# KiCad board ADCS_board.kicad_pcb
title: ADCS; date: 2025-08-21; rev: v1.8; company: SSI
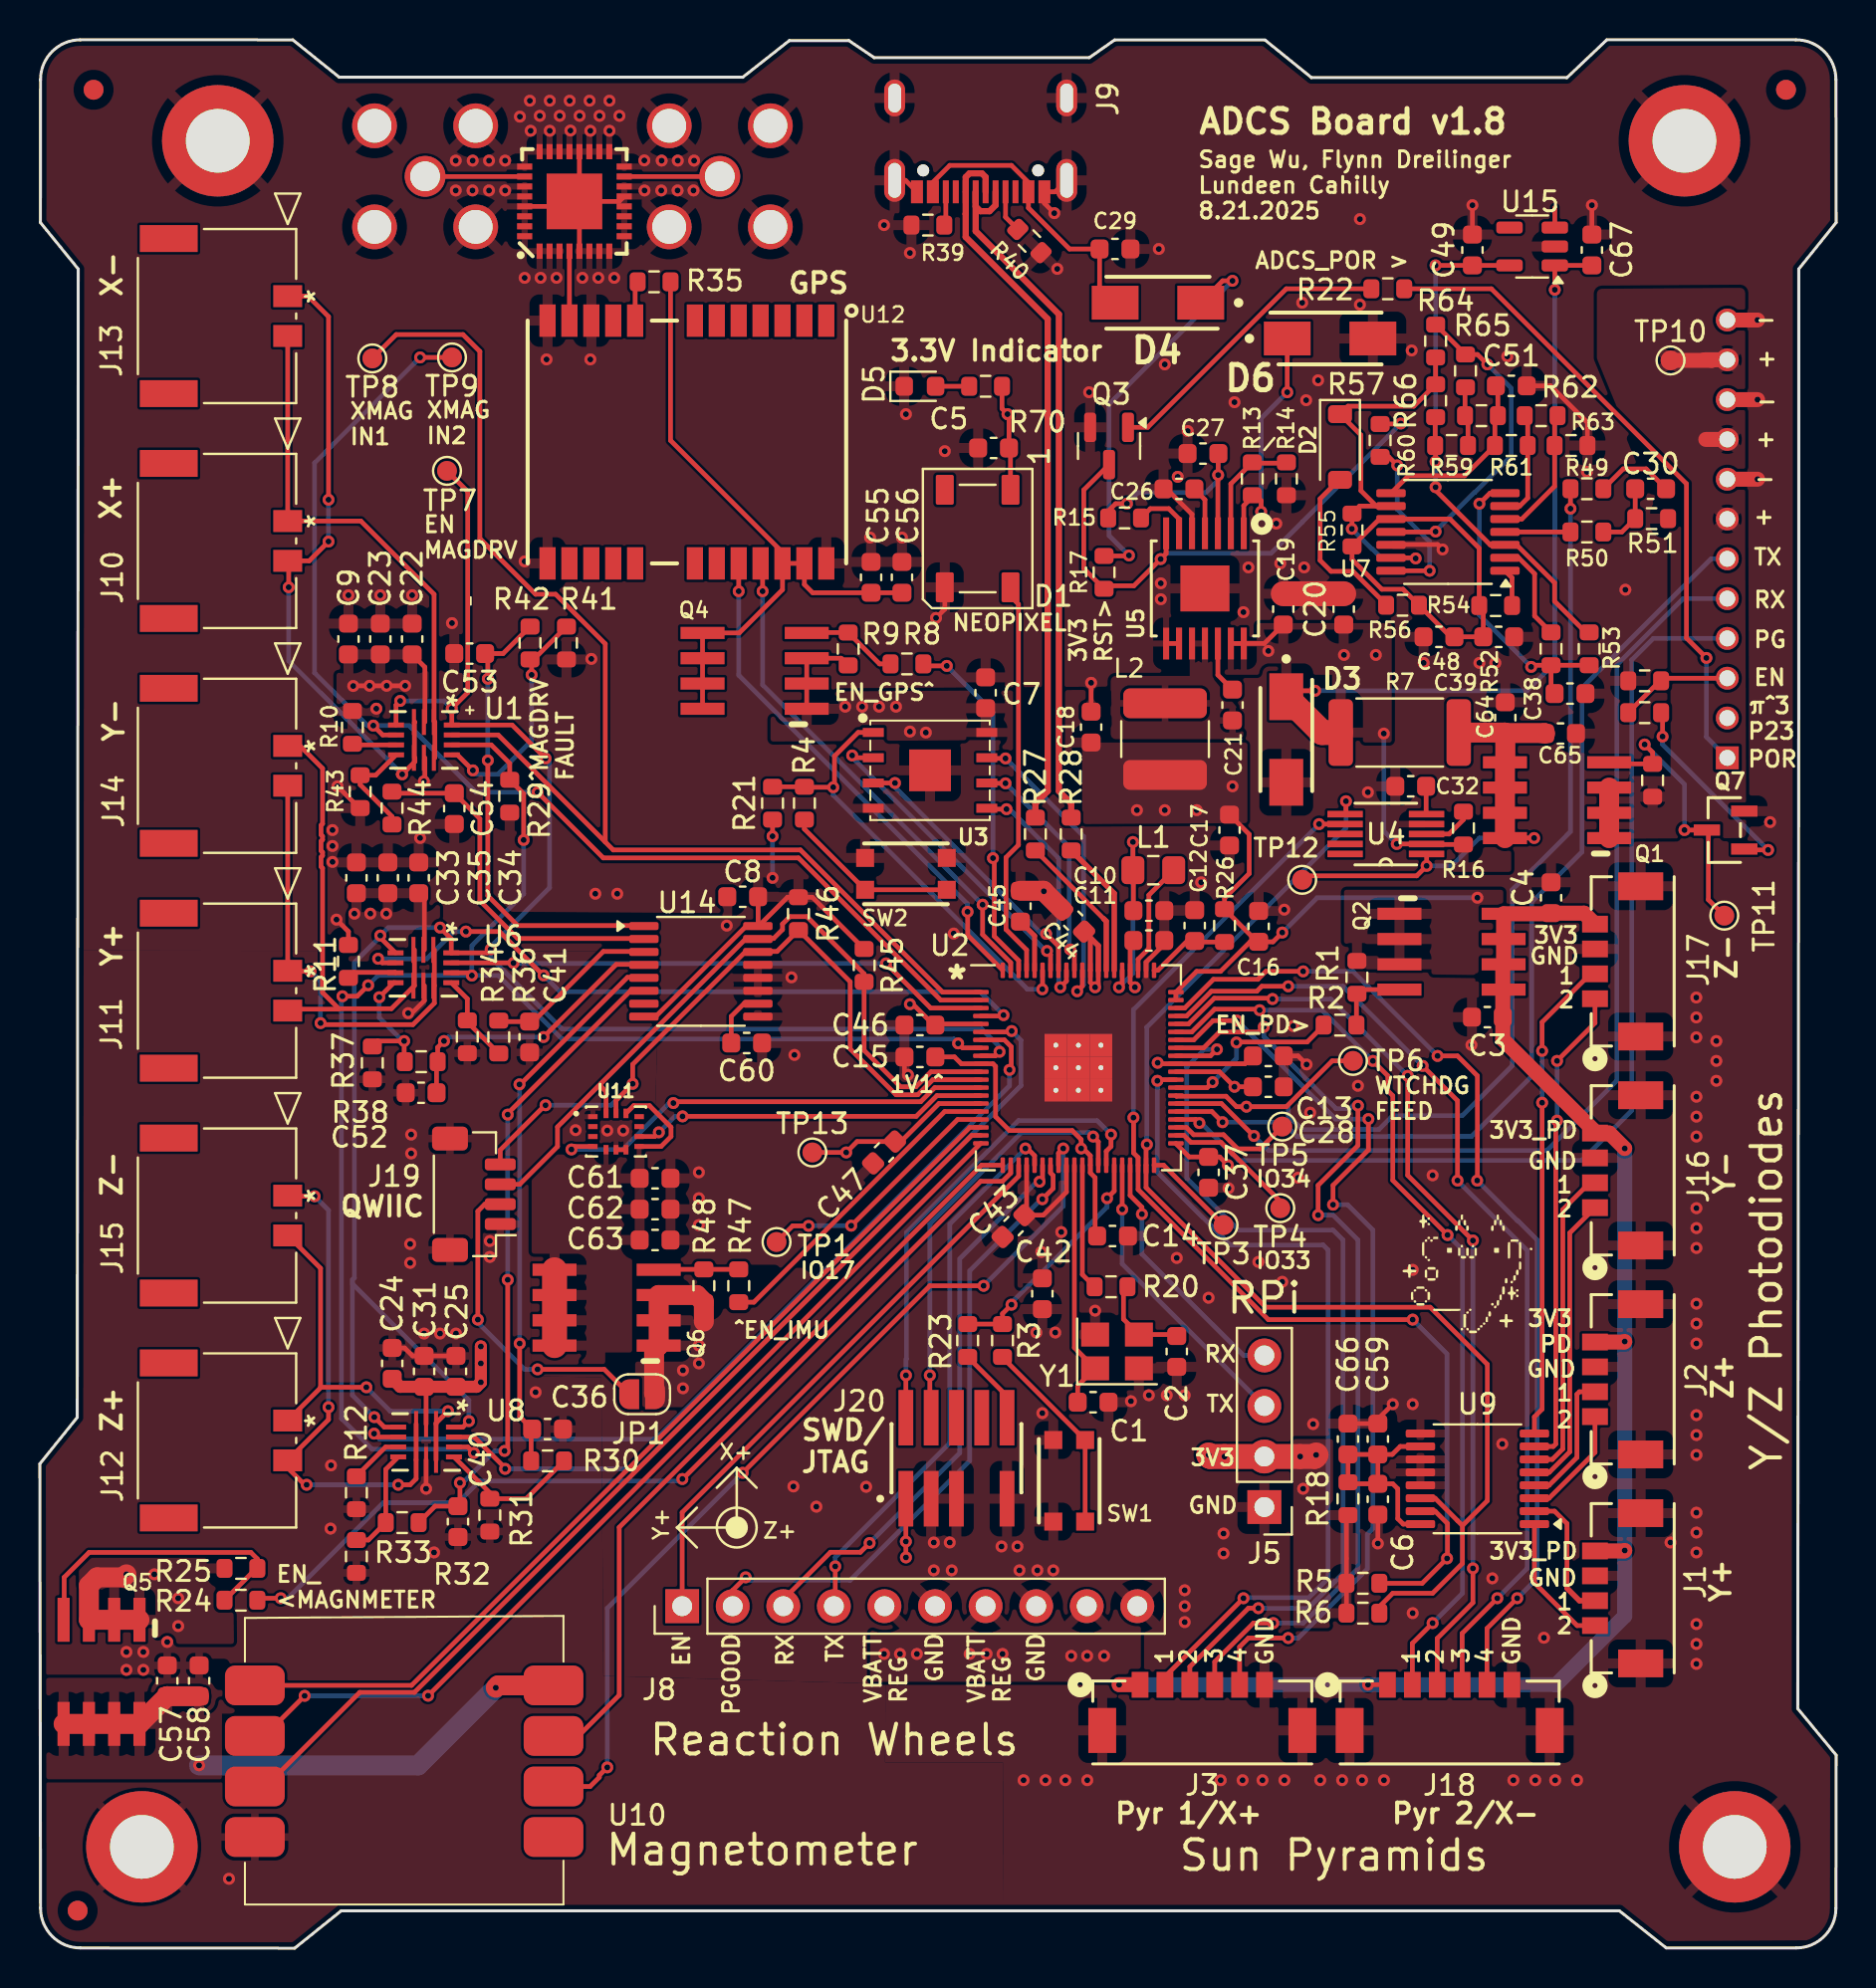
[diagram p0: board, top side]
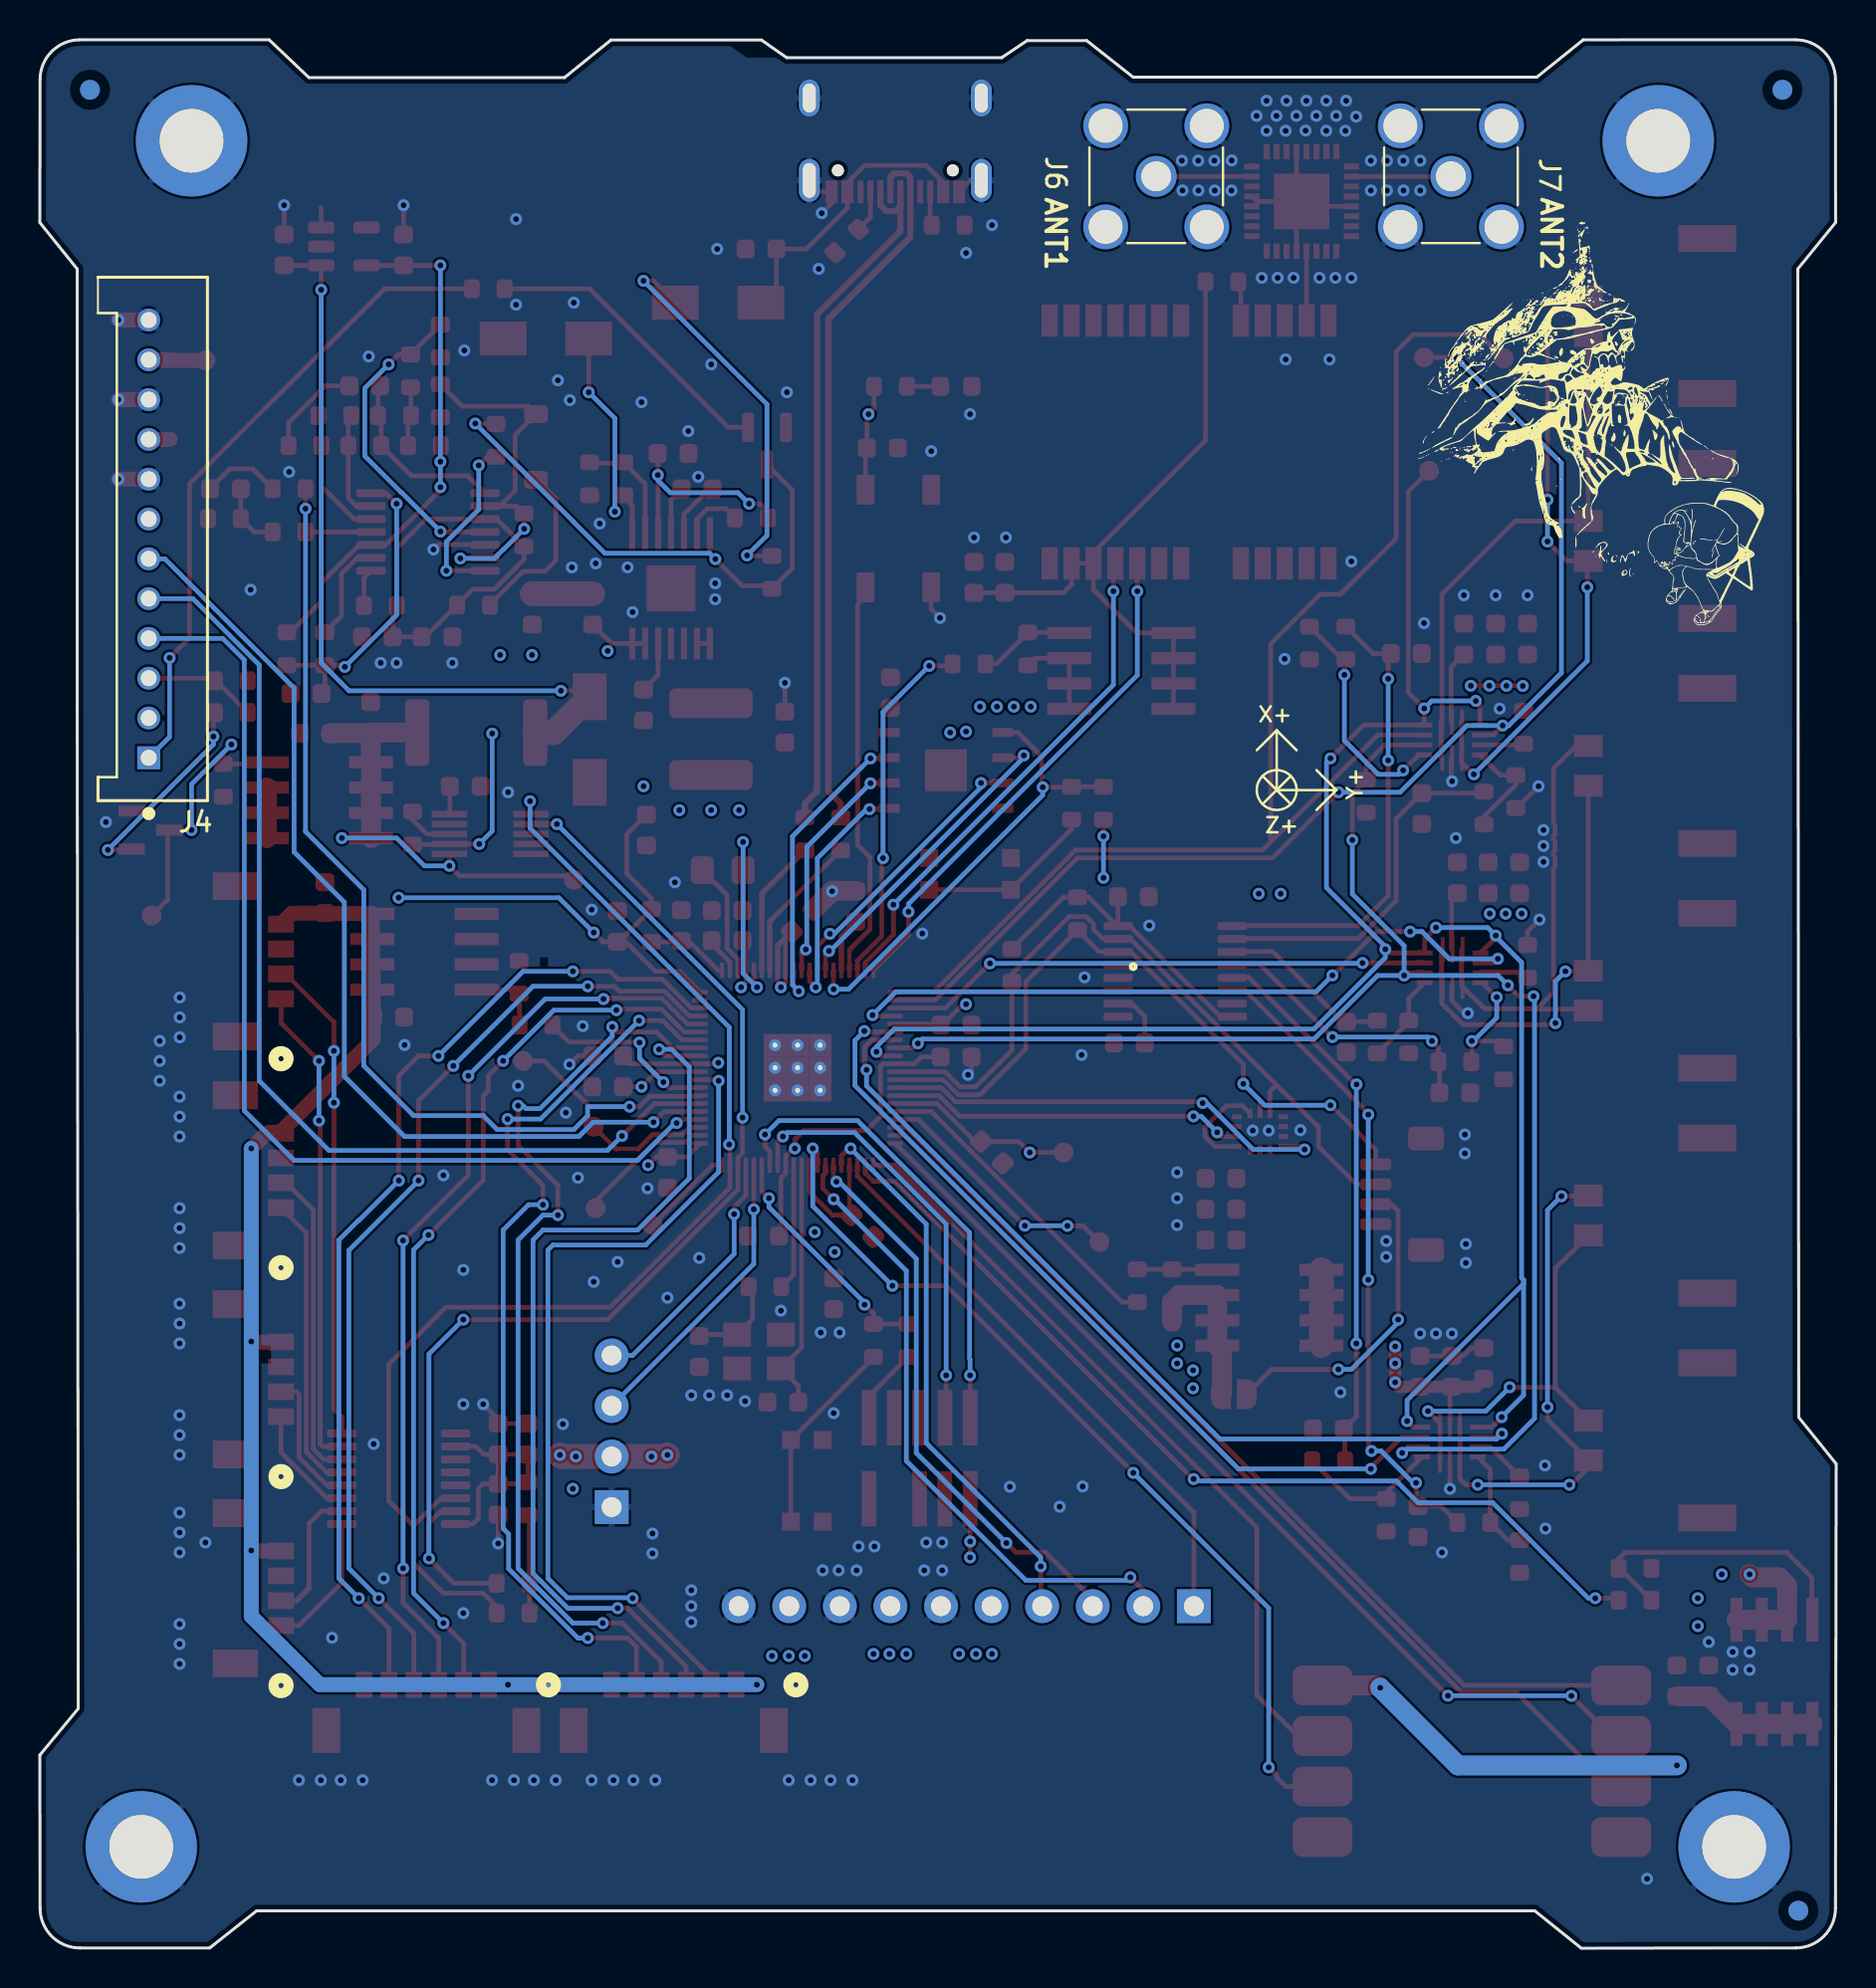
[diagram p1: board, bottom side, seen from below]

Outline 90.22 x 95.9 mm; copper layers: Top, Route2, Route15, Bottom. Coordinates in mm from the lower left corner of the outline.
Outline path: 0,24.34 0.04,2.01 arc(0.62,0.6) 2.04,0.01 12.8,0 15.14,1.88 79.33,1.88 81.68,0.01 88.21,0.01 arc(89.62,0.6) 90.21,2.01 90.22,9.7 88.29,12.04 88.34,62.33 88.34,84.38 90.22,86.72 90.21,93.9 arc(89.62,95.31) 88.21,95.9 78.7,95.9 76.7,94 63.87,94 61.53,95.89 53.98,95.89 52.71,95 41.91,95 40.63,95.86 37.64,95.86 35.3,94.02 15.04,94.02 12.7,95.9 2.04,95.9 arc(0.62,95.31) 0.04,93.9 0.03,86.72 1.93,84.38 1.88,26.68 0,24.34
Stack: Top 0.035mm / dielectric 0.2104mm FR4 er 4.4 / Route2 0.0152mm / dielectric 1.06mm FR4 er 4.6 / Route15 0.0152mm / dielectric 0.2104mm FR4 er 4.4 / Bottom 0.035mm

## Placement (name value [footprint] x y rotation side)
C1  15pF  [C_0603_1608Metric]  52.9 27.44 0 top
C2  15pF  [C_0603_1608Metric]  57.1 29.99 270 top
C3  10nF  [C_0603_1608Metric]  72.7 46.79 180 top
C4  4.7uF  [C_0603_1608Metric]  75.9 52.79 90 top
C5  100nF  [C_0603_1608Metric]  47.9 75.39 180 top
C6  1uF  [C_0603_1608Metric]  67.2 22.56 270 top
C7  100nF  [C_0603_1608Metric]  47.5 63.09 90 top
C8  10uF  [C_0603_1608Metric]  35.3 52.84 180 top
C9  22uF  [C_0603_1608Metric]  15.5 65.79 90 top
C10  4.7uF  [C_0603_1608Metric]  55.7 52.14 0 top
C11  4.7uF  [C_0603_1608Metric]  55.7 50.64 0 top
C12  4.7uF  [C_0603_1608Metric]  58 51.39 90 top
C13  100nF  [C_0603_1608Metric]  61.7 44.84 0 top
C14  100nF  [C_0603_1608Metric]  53.87 35.79 0 top
C15  4.7uF  [C_0603_1608Metric]  44.2 44.79 180 top
C16  100nF  [C_0603_1608Metric]  61.21 51.35 90 top
C17  22uF  [C_0603_1608Metric]  59.75 56.19 90 top
C18  22uF  [C_0603_1608Metric]  52.8 61.36 270 top
C19  10uF  [C_0603_1608Metric]  62.45 67.29 90 top
C20  10uF  [C_0603_1608Metric]  65.49 67.29 90 top
C21  100nF  [C_0603_1608Metric]  59.9 62.47 90 top
C22  10uF  [C_0603_1608Metric]  18.7 65.79 90 top
C23  100nF  [C_0603_1608Metric]  17.1 65.79 90 top
C24  22uF  [C_0603_1608Metric]  17.7 29.39 90 top
C25  10uF  [C_0603_1608Metric]  20.9 28.99 90 top
C26  3.3nF  [C_0603_1608Metric]  57.21 73.33 180 top
C27  1uF  [C_0603_1608Metric]  58.42 75.11 180 top
C28  100nF  [C_0603_1608Metric]  61.7 43.29 0 top
C29  4.7uF  [C_0603_1608Metric]  54 85.39 0 top
C30  10uF  [C_0603_1608Metric]  80.9 73.34 180 top
C31  100nF  [C_0603_1608Metric]  19.3 28.99 90 top
C32  3.3nF  [C_0603_1608Metric]  68.85 58.39 0 top
C33  22uF  [C_0603_1608Metric]  15.9 53.79 90 top
C34  10uF  [C_0603_1608Metric]  19.03 53.79 90 top
C35  100nF  [C_0603_1608Metric]  17.48 53.79 90 top
C36  3.3uF  [C_0603_1608Metric]  25.5 26.09 0 top
C37  100nF  [C_0603_1608Metric]  58.7 38.99 270 top
C38  10uF  [C_0603_1608Metric]  76.85 63.04 180 top
C39  10uF  [C_0603_1608Metric]  73.27 65.9 180 top
C40  3.3uF  [C_0603_1608Metric]  21 21.44 270 top
C41  3.3uF  [C_0603_1608Metric]  24.6 45.79 270 top
C42  100nF  [C_0603_1608Metric]  50.35 32.89 270 top
C43  100nF  [C_0603_1608Metric]  48.9 36.29 225 top
C44  100nF  [C_0603_1608Metric]  51.9 51.64 135 top
C45  100nF  [C_0603_1608Metric]  49.25 52.36 90 top
C46  100nF  [C_0603_1608Metric]  44.2 46.39 180 top
C47  100nF  [C_0603_1608Metric]  42.4 39.99 225 top
C48  10uF  [C_0603_1608Metric]  70.27 65.9 0 top
C49  2.2uF  [C_0603_1608Metric]  71.95 85.34 90 top
C51  10uF  [C_0603_1608Metric]  73.9 78.51 180 top
C52  3.3uF  [C_0603_1608Metric]  19.15 42.99 180 top
C53  3.3uF  [C_0603_1608Metric]  21.59 65.06 180 top
C54  3.3uF  [C_0603_1608Metric]  20.81 57.27 270 top
C55  10nF  [C_0603_1608Metric]  41.75 68.89 90 top
C56  4.7uF  [C_0603_1608Metric]  43.3 68.89 90 top
C57  10nF  [C_0603_1608Metric]  6.4 13.44 90 top
C58  4.7uF  [C_0603_1608Metric]  8 13.44 90 top
C59  100nF  [C_0603_1608Metric]  67.2 25.59 90 top
C60  100nF  [C_0603_1608Metric]  35.5 45.49 0 top
C61  10nF  [C_0603_1608Metric]  30.9 38.69 0 top
C62  4.7uF  [C_0603_1608Metric]  30.9 37.14 0 top
C63  100nF  [C_0603_1608Metric]  30.9 35.59 0 top
C64  10nF  [C_0603_1608Metric]  73.6 61.84 90 top
C65  4.7uF  [C_0603_1608Metric]  76.37 61.04 0 top
C66  10uF  [C_0603_1608Metric]  65.7 25.59 90 top
C67  1uF  [C_0603_1608Metric]  77.95 85.34 90 top
D1  1655  [LED_WS2812B_PLCC4_5.0x5.0mm_P3.2mm]  47.1 70.84 270 top
D2  1N4151W-E3-08  [D_SOD-123]  65.3 75.44 270 top
D3  CMSH1-40M  [DIOM5226X262N]  62.6 60.74 270 top
D4  CMSH1-40M  [DIOM5226X262N]  56.15 82.69 180 top
D5  GREEN LED  [LED_0603_1608Metric]  44.2 78.49 0 top
D6  CMSH1-40M  [DIOM5226X262N]  64.8 80.89 0 top
G***  -  [LOGO]  6.4 69.79 180 bottom
H1  MountingHole_Pad  [MountingHole_3.2mm_M3_DIN965_Pad]  8.94 90.82 0 top
H2  MountingHole_Pad  [MountingHole_3.2mm_M3_DIN965_Pad]  5.13 5.09 0 top
H3  MountingHole_Pad  [MountingHole_3.2mm_M3_DIN965_Pad]  85.13 5.09 0 top
H4  MountingHole_Pad  [MountingHole_3.2mm_M3_DIN965_Pad]  82.6 90.82 0 top
J1  505567-0431  [Molex_505567-0431]  78.11 16.21 270 top
J2  505567-0431  [Molex_505567-0431]  78.11 26.71 270 top
J3  505567-0631  [Molex_505567-0631]  55.26 13.24 180 top
J4  35362-1250  [Molex_35362-1250]  84.75 59.82 270 bottom
J5  Conn_01x04  [PinHeader_1x04_P2.54mm_Vertical]  61.5 22.17 180 top
J6  Amphenol_901-144  [SMA_Amphenol_901-144_horizontal]  34.15 89.04 0 bottom
J7  Amphenol_901-144  [SMA_Amphenol_901-144_horizontal]  19.35 89.04 270 bottom
J8  Conn_01x10  [PinHeader_1x10_P2.54mm_Vertical]  32.26 17.19 90 top
J9  USB_C_pycubed  [USB_C_Receptacle_XKB_U262-161N-4BVC11]  47.75 93.37 180 top
J10  2053380002  [Molex_205338-0002]  12.45 71.72 90 top
J11  2053380002  [Molex_205338-0002]  12.45 49.12 90 top
J12  2053380002  [Molex_205338-0002]  12.45 26.52 90 top
J13  2053380002  [Molex_205338-0002]  12.45 83.02 90 top
J14  2053380002  [Molex_205338-0002]  12.45 60.42 90 top
J15  2053380002  [Molex_205338-0002]  12.45 37.82 90 top
J16  505567-0431  [Molex_505567-0431]  78.11 37.21 270 top
J17  505567-0431  [Molex_505567-0431]  78.11 47.71 270 top
J18  505567-0631  [Molex_505567-0631]  67.68 13.24 180 top
J19  QWIIC  [JST_SH_BM04B-SRSS-TB_1x04-1MP_P1.00mm_Vertical]  21.8 37.89 90 top
J20  Conn_ARM_JTAG_SWD_10  [SAMTEC_FTSH-105-01-L-DV-007]  46.03 24.62 0 top
JP1  QWIIC supply  [SolderJumper-2_P1.3mm_Open_RoundedPad1.0x1.5mm]  30.25 27.84 0 top
L1  3.3uH  [L_0805_2012Metric_Pad1.15x1.40mm_HandSolder]  55.92 54.17 0 top
L2  3.3uH  [L_2141]  56.51 60.76 270 top
Q1  -  [DMP2040USS-13]  76.2 57.69 90 top
Q2  -  [DMP2040USS-13]  70.9 50.07 270 top
Q3  MMBT2222A  [SOT-23#2]  53.7 75.49 270 top
Q4  -  [DMP2040USS-13]  35.9 64.19 90 top
Q5  -  [DMP2040USS-13]  3.1 13.89 180 top
Q6  -  [DMP2040USS-13]  28.47 32.19 90 top
Q7  IRLML2803  [SOT-23]  84.6 56.19 90 top
R1  10k  [R_0603_1608Metric]  66.15 48.79 90 top
R2  4.7k  [R_0603_1608Metric]  65.3 46.39 180 top
R3  1k  [R_0603_1608Metric]  48.35 30.54 90 top
R4  1k  [R_0603_1608Metric]  38.4 57.54 90 top
R5  10k  [R_0603_1608Metric]  66.45 18.34 0 top
R6  10k  [R_0603_1608Metric]  66.45 16.84 0 top
R7  0.02  [R_2512_6332Metric]  68.3 61.09 0 top
R8  4.7k  [R_0603_1608Metric]  43.55 64.54 0 top
R9  10k  [R_0603_1608Metric]  40.6 65.29 270 top
R10  100k  [R_0603_1608Metric]  15.7 61.35 90 top
R11  100k  [R_0603_1608Metric]  15.5 49.59 90 top
R12  100k  [R_0603_1608Metric]  15.9 22.89 270 top
R13  73.2k  [R_0603_1608Metric]  60.89 73.84 270 top
R14  22.1k  [R_0603_1608Metric]  62.61 73.84 90 top
R15  100k  [R_0603_1608Metric]  54.48 71.87 180 top
R16  1k  [R_0603_1608Metric]  71.5 56.29 90 top
R17  10k  [R_0603_1608Metric]  53.45 69.14 270 top
R18  5  [R_0603_1608Metric]  65.7 22.59 90 top
R20  1k  [R_0603_1608Metric]  53.8 33.24 180 top
R21  10k  [R_0603_1608Metric]  36.8 57.54 270 top
R22  10k  [R_0603_1608Metric]  67.7 83.39 0 top
R23  1k  [R_0603_1608Metric]  46.6 30.54 90 top
R24  4.7k  [R_0603_1608Metric]  10.1 17.49 0 top
R25  10k  [R_0603_1608Metric]  10.1 19.09 180 top
R26  33  [R_0603_1608Metric]  59.5 51.39 270 top
R27  27  [R_0603_1608Metric]  50 55.99 90 top
R28  27  [R_0603_1608Metric]  51.8 55.99 90 top
R29  10k  [R_0603_1608Metric]  23.6 57.89 270 top
R30  1k  [R_0603_1608Metric]  25.5 24.49 0 top
R31  10k  [R_0603_1608Metric]  22.6 21.76 270 top
R32  10k  [R_0603_1608Metric]  15.9 19.69 270 top
R33  1k  [R_0603_1608Metric]  18.2 21.39 180 top
R34  10k  [R_0603_1608Metric]  21.47 45.8 270 top
R35  10k  [R_0603_1608Metric]  30.85 83.74 0 top
R36  1k  [R_0603_1608Metric]  23.05 45.79 270 top
R37  10k  [R_0603_1608Metric]  16.7 44.49 270 top
R38  1k  [R_0603_1608Metric]  19.15 44.55 180 top
R39  5.1k  [R_0603_1608Metric]  44.6 86.59 0 top
R40  5.1k  [R_0603_1608Metric]  49.7 85.79 135 top
R41  10k  [R_0603_1608Metric]  26.45 65.59 270 top
R42  1k  [R_0603_1608Metric]  24.62 65.59 270 top
R43  10k  [R_0603_1608Metric]  16.09 58.12 270 top
R44  1k  [R_0603_1608Metric]  17.69 57.29 270 top
R45  10k  [R_0603_1608Metric]  41.4 49.39 270 top
R46  10k  [R_0603_1608Metric]  38.1 51.99 270 top
R47  4.7k  [R_0603_1608Metric]  35.1 33.29 270 top
R48  10k  [R_0603_1608Metric]  33.35 33.29 270 top
R49  0  [R_0603_1608Metric]  77.7 73.34 0 top
R50  10k  [R_0603_1608Metric]  77.7 71.17 180 top
R51  10k  [R_0603_1608Metric]  80.95 71.84 180 top
R52  1k  [R_0603_1608Metric]  75.9 65.29 270 top
R53  100k  [R_0603_1608Metric]  77.81 65.29 90 top
R54  1k  [R_0603_1608Metric]  73.11 67.47 180 top
R55  4.7M  [R_0603_1608Metric]  65.9 71.26 90 top
R56  100k  [R_0603_1608Metric]  68.44 67.49 180 top
R57  0  [R_0603_1608Metric]  67.31 75.77 90 top
R59  10k  [R_0603_1608Metric]  70.9 75.51 0 top
R60  10k  [R_0603_1608Metric]  72.4 77.01 0 top
R61  10k  [R_0603_1608Metric]  73.9 75.51 0 top
R62  3k  [R_0603_1608Metric]  75.4 77.01 0 top
R63  3k  [R_0603_1608Metric]  76.9 75.51 0 top
R64  100k  [R_0603_1608Metric]  70.1 80.76 270 top
R65  100k  [R_0603_1608Metric]  71.6 79.26 270 top
R66  100k  [R_0603_1608Metric]  70.1 77.76 270 top
R67  4.7k  [R_0603_1608Metric]  80.6 62.09 180 top
R68  10k  [R_0603_1608Metric]  80.6 63.69 0 top
R69  3.3k  [R_0603_1608Metric]  81 58.69 270 top
R70  10k  [R_0603_1608Metric]  47.5 78.49 0 top
REF1B  -  [Fiducial_1mm_Mask2mm]  87.7 93.39 180 bottom
REF1T  -  [Fiducial_1mm_Mask2mm]  1.9 1.89 0 top
REF2B  -  [Fiducial_1mm_Mask2mm]  2.7 93.39 180 bottom
REF2T  -  [Fiducial_1mm_Mask2mm]  2.7 93.39 0 top
REF3B  -  [Fiducial_1mm_Mask2mm]  1.9 1.89 180 bottom
REF3T  -  [Fiducial_1mm_Mask2mm]  87.7 93.39 0 top
REF***  -  [coral]  71.63 33.54 0 top
REF***#2  -  [evangelion]  12.1 77.89 180 bottom
SW1  KMR231NG LFS  [BTN_KMR2_4.6X2.8]  51.7 23.49 270 top
SW2  KMR231NG LFS  [BTN_KMR2_4.6X2.8]  43.5 53.99 180 top
TP1  TestPoint  [TestPoint_Pad_D1.0mm]  37 35.49 0 top
TP3  TestPoint  [TestPoint_Pad_D1.0mm]  59.45 36.34 180 top
TP4  TestPoint  [TestPoint_Pad_D1.0mm]  62.3 37.19 180 top
TP5  TestPoint  [TestPoint_Pad_D1.0mm]  62.4 41.29 180 top
TP6  TestPoint  [TestPoint_Pad_D1.0mm]  65.95 44.59 180 top
TP7  TestPoint  [TestPoint_Pad_D1.0mm]  20.45 74.24 180 top
TP8  TestPoint  [TestPoint_Pad_D1.0mm]  16.7 79.89 180 top
TP9  TestPoint  [TestPoint_Pad_D1.0mm]  20.7 79.94 180 top
TP10  TestPoint  [TestPoint_Pad_D1.0mm]  81.9 79.79 0 top
TP11  TestPoint  [TestPoint_Pad_D1.0mm]  84.6 51.89 0 top
TP12  TestPoint  [TestPoint_Pad_D1.0mm]  63.4 53.69 0 top
TP13  TestPoint  [TestPoint_Pad_D1.0mm]  38.8 39.99 0 top
U1  MP6551GQB-Z  [QFN-14_MP6551_MNP]  19.29 60.72 270 top
U2  RP2350_80QFN  [RP2350-QFN-80-1EP_10x10_P0.4mm_EP3.4x3.4mm_ThermalVias]  52.16 44.24 0 top
U3  MR25H40MDF  [SON127P600X500X90-9N]  44.71 59.19 0 top
U4  RM_10  [ADM1176-1ARMZ-R7]  67.6 55.99 180 top
U5  TPS54226PWPR  [PWP14_2P31X2P46-L]  58.52 68.33 270 top
U6  MP6551GQB-Z  [QFN-14_MP6551_MNP]  19.26 49.27 270 top
U7  TLV1704  [TSSOP-14_4.4x5mm_P0.65mm]  70.72 71.17 180 top
U8  MP6551GQB-Z  [QFN-14_MP6551_MNP]  19.4 25.44 270 top
U9  ADS7830  [TSSOP-16_4.4x5mm_P0.65mm]  72.2 23.59 180 top
U10  -  [RM3100CB]  18.3 9.4 0 top
U11  -  [BMI270]  28.94 41.04 0 top
U12  Orion B16  [Orion_B16]  31.88 75.94 90 top
U13  EP2W+  [QFN32-5X5MM]  26.85 87.78 90 top
U14  ADS7830  [TSSOP-16_4.4x5mm_P0.65mm]  33.2 49.09 0 top
U15  TPS70960DBVR  [SOT-23-5]  74.95 85.51 180 top
Y1  ABM8-272-T3  [Crystal_SMD_3225-4Pin_3.2x2.5mm]  54.1 29.99 0 top

## Library data of the parts
C1 C2 C5 C10-C16 C28 C29 C32 C37 C42-C47 = -: Description: Unpolarized capacitor, small symbol; ki_fp_filters: C_*
C3 C4 C6-C9 C17-C27 C30 C31 C33-C36 C38-C41 C48 C49 C51-C67 = -: Description: Unpolarized capacitor; ki_fp_filters: C_*
D1 = -: Datasheet: https://cdn-shop.adafruit.com/datasheets/WS2812B.pdf; Description: RGB LED with integrated controller; Flight: SK6812; Manufacturer_Name: Worldsemi; Manufacturer_Part_Number: SK6812; Proto: SK6812; ki_fp_filters: LED*WS2812*PLCC*5.0x5.0mm*P3.2mm*
D2 = -: Description: Diode; Sim.Device: D; Sim.Pins: 1=K 2=A; ki_fp_filters: TO-???* *_Diode_* *SingleDiode* D_*
D3 D6 = -: Description: Schottky diode; ki_fp_filters: TO-???* *_Diode_* *SingleDiode* D_*
D4 = -: Datasheet: https://my.centralsemi.com/datasheets/CMSH3-20M_40M_60M_100M.PDF; Description: Schottky diode; ki_fp_filters: TO-???* *_Diode_* *SingleDiode* D_*
D5 = -: Description: Light emitting diode; Flight: LTST-C190KGKT; Manufacturer_Name: Lite-On Inc.; Manufacturer_Part_Number: LTST-C190KGKT; Proto: LTST-C190KGKT; Sim.Pins: 1=K 2=A; ki_fp_filters: LED* LED_SMD:* LED_THT:*
H1-H4 = -: Description: Mounting Hole with connection; ki_fp_filters: MountingHole*Pad*
J1 = -: Datasheet: 5055670431; Harness Name: Y+
J2 = -: Datasheet: 5055670431; Harness Name: Z+
J3 = -: Datasheet: https://www.molex.com/en-us/products/part-detail/5055670631?display=pdf; Harness Name: X+
J4 = -: Description: Generic connector, single row, 01x12, script generated (kicad-library-utils/schlib/autogen/connector/); ki_fp_filters: Connector*:*_1x??_*
J5 = -: Description: Generic connector, single row, 01x04, script generated (kicad-library-utils/schlib/autogen/connector/); ki_fp_filters: Connector*:*_1x??_*
J6 J7 = -: Description: coaxial connector (BNC, SMA, SMB, SMC, Cinch/RCA, LEMO, ...); Flight: 901-144; Manufacturer_Name: Amphenol; Manufacturer_Part_Number: 901-144; Proto: 901-144; ki_fp_filters: *BNC* *SMA* *SMB* *SMC* *Cinch* *LEMO* *UMRF* *MCX* *U.FL*
J8 = -: Description: Generic connector, single row, 01x10, script generated (kicad-library-utils/schlib/autogen/connector/); ki_fp_filters: Connector*:*_1x??_*
J10 J11 = -: Height: 2.6 mm; Manufacturer_Name: Molex; Standard: Manufacturer Recommendations; PARTREV: B; STANDARD: Manufacturer Recommendations; MAXIMUM_PACKAGE_HEIGHT: 2.6 mm; MANUFACTURER: Molex
J12 = -: Height: 2.6 mm; Manufacturer_Name: Molex
J15 = -: Height: 2.6 mm; Manufacturer_Name: Molex; PARTREV: B; MAXIMUM_PACKAGE_HEIGHT: 2.6 mm; MANUFACTURER: Molex
J16 = -: Datasheet: 5055670431; Harness Name: Y-
J17 = -: Datasheet: 5055670431; Harness Name: Z-
J18 = -: Datasheet: https://www.molex.com/en-us/products/part-detail/5055670631?display=pdf; Harness Name: X-
J19 = -: Description: Generic connectable mounting pin connector, single row, 01x04, script generated (kicad-library-utils/schlib/autogen/connector/); ki_fp_filters: Connector*:*_1x??-1MP*
J20 = -: Datasheet: http://infocenter.arm.com/help/topic/com.arm.doc.ddi0314h/DDI0314H_coresight_components_trm.pdf; Description: Cortex Debug Connector, standard ARM Cortex-M SWD and JTAG interface; ki_fp_filters: PinHeader?2x05?P1.27mm*
JP1 = -: Description: Solder Jumper, 2-pole, open; ki_fp_filters: SolderJumper*Open*
L1 = -: Datasheet: https://abracon.com/datasheets/AOTA-B201610S3R3-101-T.pdf; Description: custom made inductor by raspberry pi; ki_fp_filters: Choke_* *Coil* Inductor_* L_*
L2 = -: Description: Inductor; Flight: SPM5030T-3R3M-HZ; Manufacturer_Name: TAI-TECH; Manufacturer_Part_Number: HPC5040NF-3R3MTH; Proto: HPC5040NF-3R3MTH; ki_fp_filters: Choke_* *Coil* Inductor_* L_*
Q1 Q2 Q4-Q6 = -: Datasheet: https://www.infineon.com/dgdl/irf7404pbf.pdf?fileId=5546d462533600a4015355fa31be1ba0; Description: P-Channel MOSFET; Proto: DMP2022LSS-13; Field4: ON Semiconductor; Field7: IRF7404TRPBF; Field8: SO-8 ON Semiconductor
Q3 = -: Datasheet: https://assets.nexperia.com/documents/data-sheet/MMBT2222A.pdf; Description: 600mA Ic, 40V Vce, NPN Transistor, SOT-23; ki_fp_filters: SOT?23*
Q7 = -: Datasheet: https://www.infineon.com/dgdl/irlml2803pbf.pdf?fileId=5546d462533600a4015356682aff260f; Description: Single N-Channel MOSFET; Flight: MMBT2222AT; Manufacturer_Name: ON Semiconductor; Manufacturer_Part_Number: MMBT2222AT; Proto: 2302
R1-R18 R20-R57 R59-R70 = -: Description: Resistor, US symbol; ki_fp_filters: R_*
SW1 SW2 = -: Datasheet: https://www.ckswitches.com/media/1479/kmr2.pdf; Description: Tactile Switch SPST-NO; Manufacturer_Name: C&K
TP1 TP3-TP13 = -: Description: test point; ki_fp_filters: Pin* Test*
U1 U6 U8 = -: Datasheet: https://www.monolithicpower.com/en/documentview/productdocument/index/version/2/document_type/Datasheet/lang/en/sku/MP6551GQB/document_id/9795/; ki_fp_filters: QFN-14_MP6551_MNP
U2 = -: Datasheet: https://datasheets.raspberrypi.com/rp2350/rp2350-datasheet.pdf
U3 = -: Datasheet: https://www.winbond.com/resource-files/w25q80dv%20dl_revh_10022015.pdf; Description: Non-Volatile Memory; Manufacturer_Name: Everspin Technologies Inc.; Manufacturer_Part_Number: W25Q80DVSNIG; Proto: W25Q80DVSNIG
U4 = -: Datasheet: https://www.analog.com/media/en/technical-documentation/data-sheets/ADM1176.pdf; Description: Power Monitor; Flight: ADM1176-1ARMZ-R7; Manufacturer_Name: Analog Devices Inc.; Manufacturer_Part_Number: ADM1176-1ARMZ-R7; Proto: ADM1176-1ARMZ-R7
U5 = -: Datasheet: https://www.ti.com/lit/gpn/tps54226; Description: 3.3V Switching Regulator; Manufacturer_Name: Texas Instruments
U7 = -: Datasheet: https://www.ti.com/lit/ds/symlink/tlv1704-sep.pdf; Description: Quad Differential Comparators, SOIC-14/TSSOP-14; ki_fp_filters: SOIC*3.9x8.7mm*P1.27mm* TSSOP*4.4x5mm*P0.65mm*
U9 U14 = -: Datasheet: http://www.ti.com/lit/ds/symlink/ads7830.pdf; Description: Single-supply, 8bit, 8 ch, SAR, 70kHz SR, 2.7 - 5 VDD, I2C, TSSOP-16; ki_fp_filters: TSSOP*4.4x5mm*P0.65mm*
U10 = -: Datasheet: https://www.pnisensor.com/rm3100-cb/#download-rm3100-cb-manual
U11 = -: Datasheet: https://www.bosch-sensortec.com/media/boschsensortec/downloads/datasheets/bst-bmi270-ds000.pdf; Height: 0.87mm; Manufacturer_Name: Bosch Sensortec; Standard: Manufacturer Recommendations; PATREV: 1.0; STANDARD: Manufacturer Recommendations; MAXIMUM_PACKAGE_HEIGHT: 0.87mm; MANUFACTURER: Bosch Sensortec